# Altium PCB uTCA_MCH_PCB3.pcbdoc (part 23 of 25)
Units mil, origin at the board's own origin, x right, y up, seen from the top; angles counter-clockwise.
Board outline 7110.66 x 2894.12 mil, 12 copper layers (Top Layer, GND1, MidLayer1, PWR1, MidLayer2, GND2, PWR2, MidLayer3, GND3, MidLayer4, PWR3, Bottom Layer), stack 63.15 mil thick; 767 components, 905 nets, 4553 pads, 2832 vias.
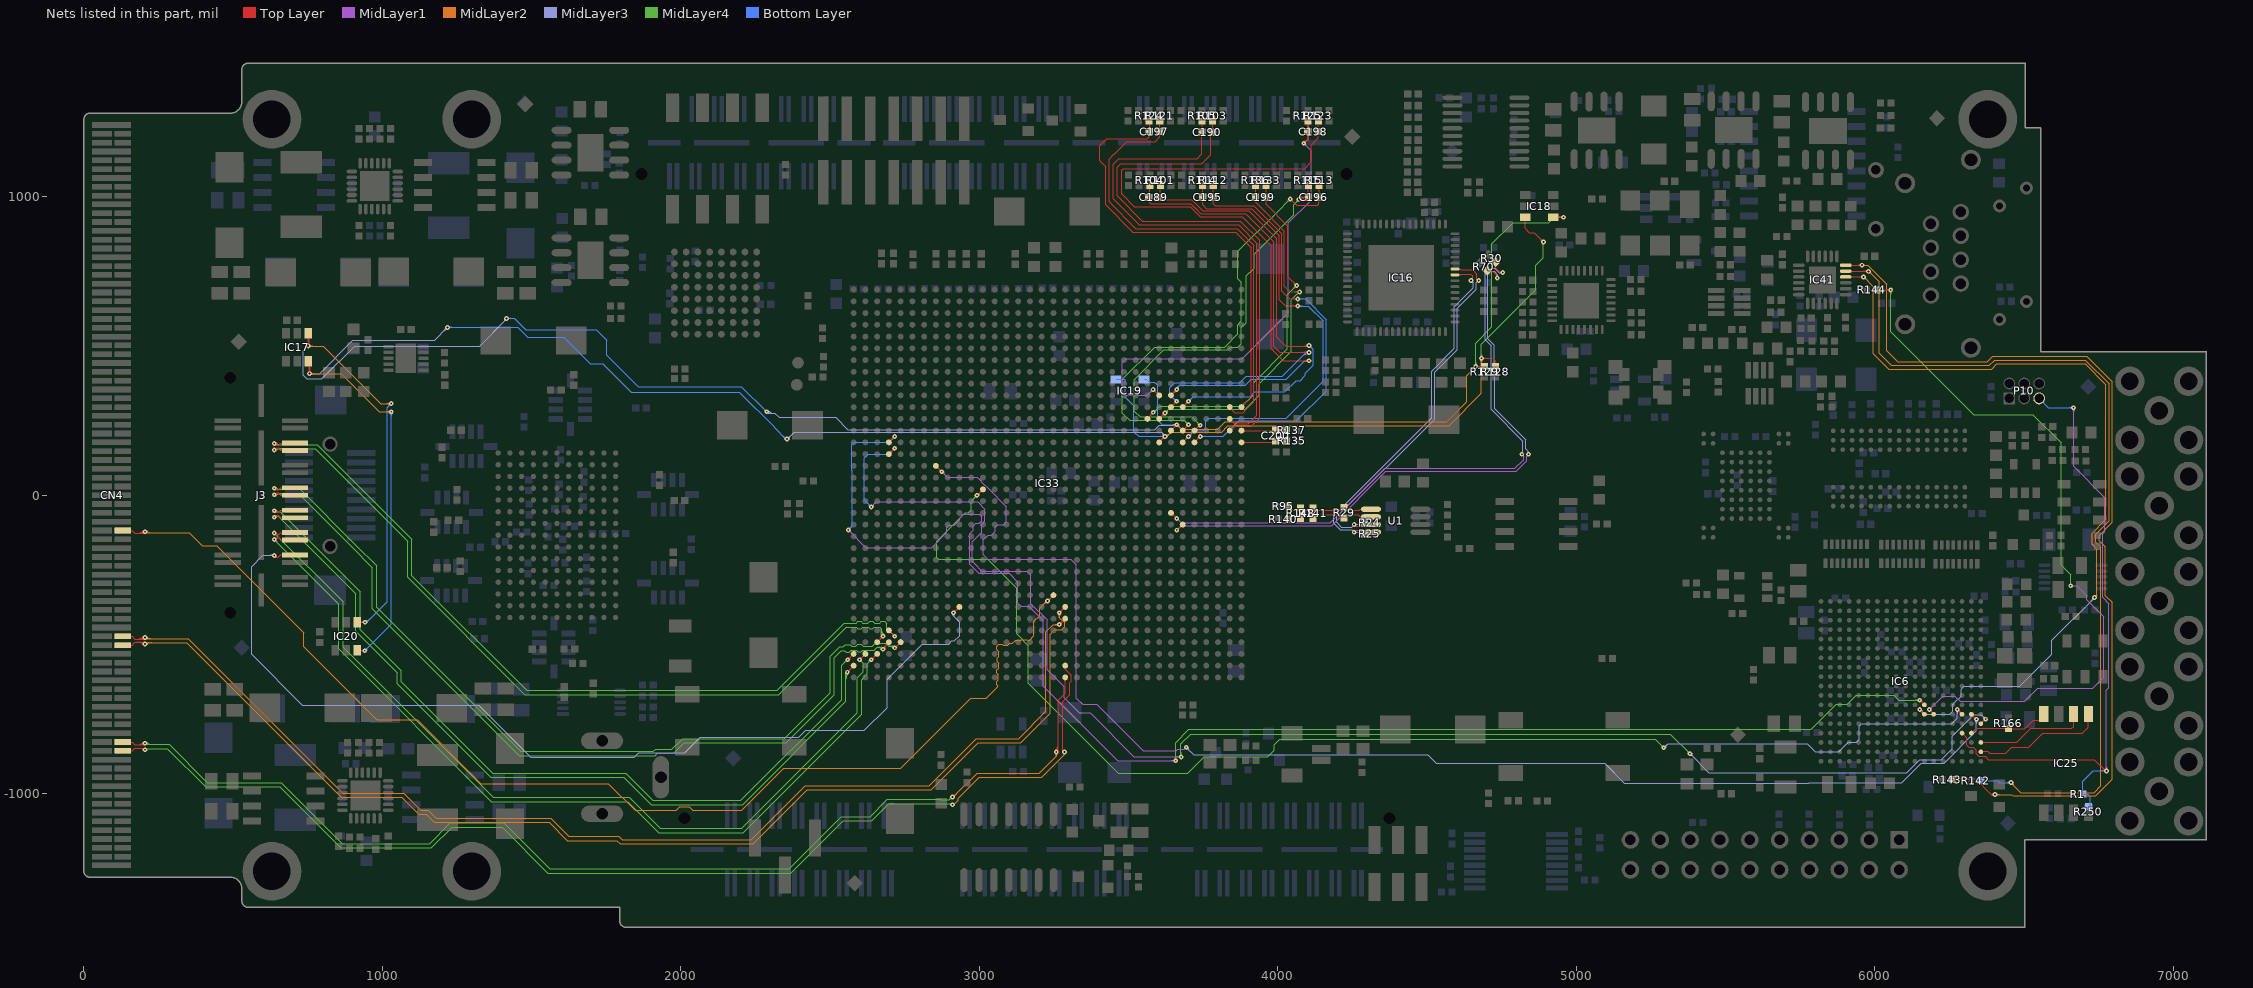
[diagram p33: the nets of this part, all layers, seen from the top]

## Via types
v1: diameter 15.75, hole 5.91, Top Layer to Bottom Layer, tented both sides, 2480 vias
v2: diameter 23.62, hole 11.81, Top Layer to Bottom Layer, tented both sides, 325 vias
v3: diameter 20, hole 10, Top Layer to Bottom Layer, tented both sides, 16 vias
v4: diameter 15.75, hole 7.87, Top Layer to Bottom Layer, tented both sides, 9 vias
v5: diameter 23.62, hole 11.81, Top Layer to Bottom Layer, 1 vias
v6: diameter 15.75, hole 5.91, Top Layer to Bottom Layer, 1 vias

## Nets (pads, with @x,y where several pads share a name; then routed paths per layer and width w, separated by ;. In a path a pad name is that pad's centre, name@x,y a point inside that pad or via, vN(x,y) a via of type N, cw(c..) or ccw(c..) an arc to the next point about the centre after c; other vN are vias at no path point) (continued)
RXFD8_P: IC33.AE28 J3.7 | length 3412
  Top Layer w3.94: v1@635.84,-201.84 ccw(c642.68,-201.07) 642.68,-207.95 ; v1(637.8,-201.62) 644.13,-207.95 ; v1@639.75,-201.4 ccw(c647.09,-200.57) 647.09,-207.95 ; v1@639.99,-207.1 cw(c641.41,-210.67) 644.13,-207.95 ; v1@643.28,-203.81 ccw(c646.85,-205.24) 644.13,-207.95 ; v1@643.66,-200.96 ccw(c651.49,-200.08) 651.49,-207.95 ; J3.7@707.29,-200 659.44,-200 651.49,-207.95 ; v1(2913.39,-393.7) IC33.AE28@2933.07,-374.02 ; v1@2913.39,-387.8 ccw(c2913.39,-373.54) 2923.47,-383.62 ccw(c2933.55,-393.7) v1@2919.29,-393.7 ; 644.13,-207.95 651.49,-207.95
  MidLayer3 w3.94: v1@633.62,-205.79 ccw(c623.54,-215.88) 623.54,-201.62 ccw(c623.54,-187.36) v1@633.62,-197.44 ; v1(637.8,-201.62) 599.15,-201.62 561.93,-238.84 561.93,-532.4 732.28,-702.76 1322.42,-702.76 1496.87,-877.2 1843.7,-877.2 1858.27,-862.64 2013.76,-862.64 2065.15,-811.25 2395.44,-811.25 2418.86,-787.83 2614.88,-787.83 2691.3,-711.42 2691.3,-616.18 2808.94,-498.54 2897.54,-498.54 2907.9,-488.19 2915.73,-488.19 2933.5,-470.42 2933.5,-424.74 2913.39,-404.62 ; v1@2910.15,-398.64 cw(c2906.25,-404.62) 2913.39,-404.62 ; v1(2913.39,-393.7) 2913.39,-404.62 ; v1@2916.62,-398.64 ccw(c2920.53,-404.62) 2913.39,-404.62
RXFD9_N: IC33.AM32 J3.9 | length 3014.7
  Top Layer w3.94: v1(637.8,-148.38) 643.21,-142.97 652.41,-142.97 ; v1@639.7,-148.87 cw(c647.33,-150.85) 647.33,-142.97 ; v1@643.51,-149.86 cw(c652.41,-152.16) 652.41,-142.97 ; J3.9@707.29,-150 659.44,-150 652.41,-142.97 ; v1(2637.8,-551.18) IC33.AM32@2657.48,-531.5 ; v1@2637.8,-545.28 ccw(c2637.8,-531.02) 2647.88,-541.1 ccw(c2657.96,-551.18) v1@2643.7,-551.18
  MidLayer4 w3.94: v1@637.8,-154.29 cw(c637.8,-168.54) 647.88,-158.46 cw(c657.96,-148.38) v1@643.7,-148.38 ; v1(637.8,-148.38) 854.33,-364.92 854.33,-514.94 1365.4,-1026.01 1821.28,-1026.01 1925.42,-1130.14 2209.39,-1130.14 2605.14,-734.4 2605.14,-617.32 2625,-597.46 2625,-563.98 v1(2637.8,-551.18) ; v1@2631.89,-551.18 cw(c2617.63,-551.18) 2627.71,-561.26 cw(c2637.8,-571.34) v1@2637.8,-557.09
RXFD9_P: IC33.AN32 J3.11 | length 2995.1
  Top Layer w3.94: v1(637.8,-126.62) 643.21,-132.03 652.41,-132.03 ; v1@639.7,-126.13 ccw(c647.33,-124.15) 647.33,-132.03 ; v1@643.51,-125.14 ccw(c652.41,-122.84) 652.41,-132.03 ; J3.11@707.29,-125 659.44,-125 652.41,-132.03 ; v1(2598.43,-551.18) IC33.AN32@2618.11,-531.5 ; v1@2598.43,-545.28 ccw(c2598.43,-531.02) 2608.51,-541.1 ccw(c2618.59,-551.18) v1@2604.33,-551.18
  MidLayer4 w3.94: v1@637.8,-132.52 cw(c637.8,-146.78) 647.88,-136.7 cw(c657.96,-126.62) v1@643.7,-126.62 ; v1(637.8,-126.62) 868.54,-357.36 868.54,-509.05 1371.28,-1011.8 1827.16,-1011.8 1931.3,-1115.94 2203.51,-1115.94 2590.55,-728.9 2590.55,-611.82 2610.8,-591.58 2610.8,-563.55 v1(2598.43,-551.18) ; v1@2598.43,-557.09 cw(c2598.43,-571.34) 2608.51,-561.26 cw(c2618.59,-551.18) v1@2604.33,-551.18
RXFD10_N: IC33.AP33 J3.13 | length 2862
  Top Layer w3.94: v1(637.8,-73.38) 643.21,-67.97 652.41,-67.97 ; v1@639.7,-73.87 cw(c647.33,-75.85) 647.33,-67.97 ; v1@643.51,-74.86 cw(c652.41,-77.16) 652.41,-67.97 ; J3.13@707.29,-75 659.44,-75 652.41,-67.97 ; v1(2557.09,-592.52) IC33.AP33@2578.74,-570.87 ; v1@2557.09,-586.61 ccw(c2557.09,-572.36) 2567.17,-582.44 ccw(c2577.25,-592.52) v1@2562.99,-592.52
  MidLayer4 w3.94: v1(637.8,-73.38) 641.57,-69.6 651.57,-69.6 ; v1@639.65,-74.05 cw(c645.97,-76.32) 645.97,-69.6 ; v1@643.35,-75.38 cw(c651.57,-78.34) 651.57,-69.6 ; 2553.15,-616.28 cw(c2580.85,-616.28) v1@2561.26,-596.7 ; 2553.15,-606.78 cw(c2571.34,-606.78) v1@2558.48,-593.91 ; v1(2557.09,-592.52) 2553.15,-596.46 2553.15,-690.92 2207.23,-1036.84 1900.61,-1036.84 1808.65,-944.88 1363.01,-944.88 1049.21,-631.08 1049.21,-594.1 911.42,-456.31 911.42,-329.44 651.57,-69.6
RXFD10_P: IC33.AP32 J3.15 | length 2886.7
  Top Layer w3.94: v1(637.8,-51.62) 643.21,-57.03 652.41,-57.03 ; v1@639.7,-51.13 ccw(c647.33,-49.15) 647.33,-57.03 ; v1@643.51,-50.14 ccw(c652.41,-47.84) 652.41,-57.03 ; J3.15@707.29,-50 659.44,-50 652.41,-57.03 ; v1(2559.06,-551.18) IC33.AP32@2578.74,-531.5 ; v1@2559.06,-545.28 ccw(c2559.06,-531.02) 2569.14,-541.1 ccw(c2579.22,-551.18) v1@2564.96,-551.18
  MidLayer4 w3.94: v1(637.8,-51.62) 641.57,-55.4 657.46,-55.4 ; v1@639.36,-50.42 ccw(c649.46,-42.65) 649.46,-55.4 ; v1@642.48,-48.02 ccw(c657.46,-36.5) 657.46,-55.4 ; 2545.61,-562.65 cw(c2559.06,-576.1) v1@2559.06,-557.09 ; 2550.37,-557.9 ccw(c2543.64,-551.18) v1@2553.15,-551.18 ; 2552.33,-555.93 cw(c2559.06,-562.65) v1@2559.06,-553.15 ; v1@2557.09,-551.18 2538.94,-569.32 2538.94,-685.04 2201.35,-1022.64 1906.5,-1022.64 1814.54,-930.68 1368.9,-930.68 1063.42,-625.2 1063.42,-588.22 925.62,-450.43 925.62,-323.56 657.46,-55.4
RXFD11_N: IC33.AK31 J3.19 | length 2986.7
  Top Layer w3.94: v1@637.8,21.91 641.73,17.97 652.41,17.97 ; v1@639.7,23.87 ccw(c647.33,25.85) 647.33,17.97 ; v1@643.51,24.86 ccw(c652.41,27.16) 652.41,17.97 ; J3.19@707.29,25 659.44,25 652.41,17.97 ; v1@2716.54,-505.44 ccw(c2716.54,-490.07) 2727.41,-500.94 ; v1@2717,-511.35 IC33.AK31@2736.22,-492.13 ; v1@2722.44,-511.35 cw(c2735.58,-511.35) 2726.29,-502.06
  MidLayer4 w3.94: v1(637.8,23.38) 641.57,19.6 724.9,19.6 909.87,-165.38 ; v1@639.19,24.77 ccw(c651.67,37.26) 651.67,19.6 ; v1@641.97,27.56 ccw(c661.18,46.76) 661.18,19.6 ; 909.87,-165.78 980.74,-236.65 980.74,-374.76 1464.25,-858.27 1907.57,-858.27 1915.44,-850.39 1970.07,-850.39 2005.5,-814.96 2346.46,-814.96 2499.57,-661.84 2499.57,-538.89 2531.46,-507.01 2544.77,-507.01 2550.79,-500.98 2567.1,-500.98 2571.67,-505.56 2586.58,-505.56 2593.13,-499.02 2603.73,-499.02 2610.27,-505.56 2641.68,-505.56 2651.6,-495.64 2681.08,-495.64 2685.63,-495.66 2695.79,-505.83 ; 2702.94,-505.83 cw(c2702.94,-519.95) v1@2714.87,-512.4 ; 2710.09,-505.83 cw(c2710.09,-515.43) v1@2718.2,-510.3 ; v1@2711.54,-514.5 ccw(c2695.79,-524.47) 2695.79,-505.83 ; v1@2717.06,-510.36 2712.52,-505.83 2695.79,-505.83
  other v1: 2716.54,-511.35
RXFD11_P: IC33.AL31 J3.17 | length 2953
  Top Layer w3.94: v1@637.8,3.09 641.73,7.03 652.41,7.03 ; v1@639.7,1.13 cw(c647.33,-0.85) 647.33,7.03 ; v1@643.51,0.14 cw(c652.41,-2.16) 652.41,7.03 ; J3.17@707.29,0 659.44,0 652.41,7.03 ; v1@2677.17,-511.81 IC33.AL31@2696.85,-492.13 ; v1@2679.26,-515.77 cw(c2693.9,-515.77) 2683.55,-505.43 ; v1@2683.2,-515.77 cw(c2707.34,-515.77) IC33.AL31@2690.27,-498.7
  MidLayer4 w3.94: v1(637.8,1.62) 641.57,5.4 719.01,5.4 895.67,-171.26 ; v1@639.19,0.23 cw(c651.67,-12.26) 651.67,5.4 ; v1@641.97,-2.56 cw(c661.18,-21.76) 661.18,5.4 ; 895.67,-171.66 966.54,-242.53 966.54,-380.64 1458.37,-872.47 1913.45,-872.47 1921.33,-864.6 1975.95,-864.6 2011.39,-829.17 2352.34,-829.17 2513.78,-667.73 2513.78,-544.77 2537.34,-521.21 2548.49,-521.21 2553.88,-526.6 2564.48,-526.6 2571.32,-519.76 2588.28,-519.76 2593.13,-524.61 2603.73,-524.61 2608.57,-519.76 2647.56,-519.76 2657.48,-509.84 ; 2664.07,-509.84 cw(c2664.07,-522.89) v1@2675.56,-516.71 ; 2670.66,-509.84 cw(c2670.66,-519.34) v1@2679.03,-514.84 ; v1@2672.1,-518.57 ccw(c2657.48,-526.44) 2657.48,-509.84 ; v1(2677.3,-515.77) 2677.3,-511.95 2675.19,-509.84 2657.48,-509.84
RXFD12_N: IC33.AM31 J3.25 | length 2812.6
  Top Layer w3.94: v1(637.8,151.62) 643.21,157.03 652.41,157.03 ; v1@639.7,151.13 cw(c647.33,149.15) 647.33,157.03 ; v1@643.51,150.14 cw(c652.41,147.84) 652.41,157.03 ; J3.25@707.29,150 659.44,150 652.41,157.03 ; IC33.AM31@2657.48,-492.13 v1(2677.17,-472.44) ; v1@2671.26,-472.44 cw(c2657,-472.44) 2667.08,-482.52 cw(c2677.17,-492.6) v1@2677.17,-478.35
  MidLayer4 w3.94: v1(637.8,151.62) 641.57,155.4 775.7,155.4 778.12,152.99 ; v1@639.19,150.23 cw(c651.67,137.74) 651.67,155.4 ; v1@641.97,147.44 cw(c661.18,128.24) 661.18,155.4 ; 778.16,152.99 806.53,124.61 ; 806.53,124.57 1084.65,-153.54 1084.65,-275.04 1477.17,-667.56 2328.5,-667.56 2553.58,-442.48 2587.88,-442.48 2593.25,-447.86 2603.85,-447.86 2609.31,-442.4 2627.17,-442.4 2632.62,-447.86 2643.22,-447.86 2648.44,-442.64 2666.78,-442.64 2671.5,-447.36 ; 2671.5,-464.44 ccw(c2684,-464.44) v1@2675.89,-473.94 ; 2671.5,-455.9 ccw(c2691.28,-455.9) v1@2678.44,-470.94 ; v1(2677.17,-472.44) 2671.5,-466.78 2671.5,-447.36 ; v1@2681,-467.95 cw(c2698.56,-447.36) 2671.5,-447.36
RXFD12_P: IC33.AL30 J3.27 | length 2833.2
  Top Layer w3.94: v1(637.8,173.38) 643.21,167.97 652.41,167.97 ; v1@639.7,173.87 ccw(c647.33,175.85) 647.33,167.97 ; v1@643.51,174.86 ccw(c652.41,177.16) 652.41,167.97 ; J3.27@707.29,175 659.44,175 652.41,167.97 ; IC33.AL30@2696.85,-452.76 v1(2716.53,-472.44) ; v1@2710.62,-472.44 ccw(c2696.36,-472.44) 2706.45,-462.35 ccw(c2716.53,-452.29) v1@2716.53,-466.53
  MidLayer4 w3.94: v1(637.8,173.38) 641.57,169.6 781.59,169.6 784,167.19 ; v1@639.19,174.77 ccw(c651.67,187.26) 651.67,169.6 ; v1@641.97,177.56 ccw(c661.18,196.76) 661.18,169.6 ; 784.04,167.19 820.73,130.5 ; 820.73,130.46 1098.85,-147.66 1098.85,-269.16 1483.05,-653.35 2322.62,-653.35 2547.7,-428.27 2587.24,-428.27 2593.25,-422.27 2603.85,-422.27 2609.78,-428.2 2626.69,-428.2 2632.62,-422.27 2643.22,-422.27 2649.39,-428.43 2665.83,-428.43 2672,-422.27 2682.6,-422.27 2690.09,-429.76 2690.09,-440.36 ; 2690.16,-440.43 2690.16,-446.07 v1(2716.53,-472.44) ; v1@2710.62,-472.44 ccw(c2696.37,-472.44) 2706.45,-462.36 ccw(c2716.53,-452.28) v1@2716.53,-466.53
SCL_TMP: IC17.1 IC18.1 IC19.1 IC20.1 IC33.G13 R129.1 | length 7166.6
  Top Layer w3.94: IC20.1@916.34,-425.2 v1(941.93,-425.2) ; v1@937.75,-429.37 ccw(c927.67,-439.45) 927.67,-425.2 ccw(c927.67,-410.94) v1@937.75,-421.02 ; IC33.G13@3641.73,216.54 v1(3661.42,236.22) ; v1@3655.51,236.22 cw(c3641.25,236.22) 3651.34,226.14 cw(c3661.42,216.06) v1@3661.42,230.31 ; v1@4664.33,431.1 R129.1@4692.91,431.1 ; v1@4666.97,427.01 cw(c4676.86,417.11) 4676.86,431.1 ; v1@4666.97,435.36 ccw(c4677.24,445.63) 4677.24,431.1 ; IC18.1@4923.23,931.1 v1(4956.69,931.1) ; v1@4952.52,926.93 ccw(c4942.44,916.85) 4942.44,931.1 ccw(c4942.43,945.36) v1@4952.52,935.28
  Top Layer w6.89: v1@748.84,503.13 ccw(c741.28,510.69) 751.97,510.69 ccw(c762.66,510.69) v1@755.1,503.13 ; v1(751.97,500) IC17.1@751.97,535.43
  MidLayer4 w3.94: v1@4658.62,435.36 ccw(c4648.54,445.44) 4662.8,445.44 ccw(c4677.05,445.44) v1@4666.97,435.36 ; v1(4662.8,431.18) 4662.8,509.92 4716.91,564.04 4716.91,841.92 4788.38,913.39 4908.28,913.39 4925.99,931.1 v1(4956.69,931.1) ; v1@4952.52,926.93 ccw(c4942.44,916.85) 4942.44,931.1 ccw(c4942.44,945.36) v1@4952.52,935.28
  MidLayer2 w3.94: v1(751.97,500) 801.18,500 994.09,307.09 v1(1029.53,307.09) ; v1@756.14,495.82 cw(c766.23,485.74) 766.23,500 cw(c766.23,514.26) v1@756.14,504.18 ; v1@1025.35,302.91 ccw(c1015.27,292.83) 1015.27,307.09 ccw(c1015.27,321.34) v1@1025.35,311.26 ; v1@3661.42,230.31 cw(c3661.42,216.06) 3671.5,226.14 cw(c3681.58,236.22) v1@3667.32,236.22 ; v1(3661.42,236.22) 3677.17,220.47 3799.27,220.47 3824.2,245.4 3901.87,245.4 ; 3901.99,245.4 4046.33,245.4 4046.58,245.65 4566.04,245.65 4632.87,312.48 4632.87,400.59 v1@4663.17,430.89 ; 4652.24,419.96 ccw(c4641.02,431.18) v1@4656.89,431.18 ; 4653.86,421.57 cw(c4662.8,412.63) v1@4662.8,425.28
  MidLayer3 w3.94: v1@746.06,500 cw(c731.81,500) 741.89,489.92 cw(c751.97,479.84) v1@751.97,494.09 ; v1(751.97,500) 734.25,482.28 734.25,401.57 746.06,389.76 797.24,389.76 907.2,499.72 1325.66,499.72 v1@1417.4,591.46 ; 1404.3,578.35 ccw(c1390.25,592.4) v1@1410.12,592.4 ; 1409.91,583.96 cw(c1416.02,577.85) v1@1416.02,586.5 ; 1411.02,585.08 ccw(c1403.69,592.4) v1@1414.06,592.4 ; v1@2288.23,279.17 2292.36,275.04 2314.8,275.04 2329.37,260.47 2518.1,260.47 2559.24,219.33 3587.05,219.33 3602.8,235.08 v1@3662.71,235.08 ; v1@2289.15,280.9 ccw(c2303.29,295.03) 2303.29,275.04 ; v1@2291.94,283.68 ccw(c2312.8,304.54) 2312.8,275.04 ; 3644.41,235.08 ccw(c3644.41,253.23) v1@3657.24,240.4 ; 3649.91,235.08 cw(c3649.91,224.72) v1@3657.24,232.04
  Bottom Layer w3.94: v1@941.93,-423.23 ccw(c941.93,-406.6) 953.69,-418.36 ; v1@941.93,-419.29 ccw(c941.93,-393.15) 960.41,-411.64 ; v1@943.9,-428.15 1015.75,-356.3 1015.75,293.31 v1(1029.53,307.09) ; v1@1023.62,307.09 cw(c1009.36,307.09) 1019.45,297.01 cw(c1029.53,286.92) v1@1029.53,301.18 ; v1(1416.02,592.4) 1442.56,592.4 1481.02,553.94 1716.73,553.94 1752.09,518.58 1752.09,468.7 1856.57,364.21 2203.05,364.21 v1(2287.76,279.5) ; v1@1420.2,588.23 cw(c1430.28,578.14) 1430.28,592.4 cw(c1430.28,606.66) v1@1420.2,596.58 ; v1@2281.86,279.5 ccw(c2267.6,279.5) 2277.68,289.58 ccw(c2287.76,299.67) v1@2287.76,285.41 ; IC19.1@3553.62,388.7 3559.3,388.7 3569,379 3586,379 3597,368 3597,321.49 3597.78,320.71 3597.78,251.22 3612.78,236.22 v1(3661.42,236.22) ; v1@3657.24,232.04 ccw(c3647.16,221.96) 3647.16,236.22 ccw(c3647.16,250.48) v1@3657.24,240.4
SDA_TMP: IC17.6 IC18.6 IC19.6 IC20.6 IC33.H14 R128.1 | length 7029.9
  Top Layer w3.94: IC20.6@916.34,-519.69 v1@939.96,-519.69 ; IC20.6@924.31,-519.69 cw(c924.31,-537.3) v1@936.77,-524.85 ; IC20.6@929.06,-519.69 ccw(c929.06,-508.79) v1@936.77,-516.49 ; IC33.H14@3602.36,177.17 v1(3622.05,196.85) ; v1@3616.14,196.85 cw(c3601.88,196.85) 3611.97,186.77 cw(c3622.05,176.69) v1@3622.05,190.94 ; v1@4682.32,458.19 4703.35,458.19 ; v1@4686.07,454.45 cw(c4695.1,445.41) 4695.1,458.19 ; v1@4686.07,462.8 ccw(c4697.19,473.92) 4697.19,458.19 ; 4703.78,458.62 4717.68,458.62 ; 4720,458.19 4728.35,449.84 R128.1@4728.35,431.1 ; IC18.6@4828.74,931.1 4828.74,893.7 4842.52,879.92 4858.26,879.92 v1(4889.75,848.42) ; v1@4883.85,848.42 ccw(c4869.59,848.42) 4879.67,858.5 ccw(c4889.75,868.59) v1@4889.75,854.33
  Top Layer w6.89: v1@752.77,410.61 ccw(c745.21,418.17) 755.91,418.17 ccw(c766.6,418.17) v1@759.04,410.61 ; v1(755.91,407.48) IC17.6@755.91,437.01
  MidLayer4 w3.94: v1@4677.71,462.8 ccw(c4667.63,472.88) 4681.89,472.88 ccw(c4696.15,472.88) v1@4686.07,462.8 ; v1(4681.89,458.62) 4681.89,505.89 4864.31,688.31 4864.31,770.78 4889.85,796.32 v1@4889.85,848.69
  MidLayer2 w3.94: v1(755.91,407.48) 862.2,407.48 990.16,279.53 v1(1029.53,279.53) ; v1@760.08,403.3 cw(c770.16,393.22) 770.16,407.48 cw(c770.16,421.74) v1@760.08,411.66 ; v1@1025.35,275.35 ccw(c1015.27,265.27) 1015.27,279.53 ccw(c1015.27,293.78) v1@1025.35,283.7 ; v1@3622.05,194.88 3625.98,194.88 3642.89,211.79 3811.2,211.79 3832.76,233.35 3905.48,233.35 ; v1@3622.05,198.82 ccw(c3622.05,217.83) 3635.49,204.39 ; v1@3622.05,202.76 ccw(c3622.05,231.27) 3642.21,211.11 ; 3905.67,233.32 4573.37,233.32 4682.13,342.08 4682.13,456.77 v1@4683.98,458.62 ; v1@4677.71,454.45 cw(c4667.06,443.79) 4682.13,443.79 ; 4682.13,444.94 cw(c4695.58,444.94) v1@4686.07,454.45
  MidLayer3 w3.94: v1(755.91,407.48) 789.37,407.48 901.21,519.32 1175.34,519.32 v1@1219.68,563.66 ; v1@760.08,403.3 cw(c770.16,393.22) 770.16,407.48 cw(c770.16,421.74) v1@760.08,411.66 ; 1207.63,551.6 ccw(c1197.14,562.09) v1@1211.97,562.09 ; 1208.2,552.17 cw(c1217.87,542.49) v1@1217.87,556.18 ; v1@2355.47,186.89 2379.24,210.66 2518.93,210.66 2519.06,210.79 3610.76,210.79 ; v1@2355.47,194.09 ccw(c2355.47,211.49) 2367.77,199.19 ; v1@2361.38,188.19 cw(c2372.5,188.19) 2364.64,196.05 ; v1@3616.15,197.07 ccw(c3597.74,197.76) 3610.76,210.79 ; 3616.49,205.06 ccw(c3622.05,210.61) v1@3622.05,202.76 ; 3617.14,204.41 cw(c3610.04,197.3) v1@3620.08,196.92 ; v1(3622.05,196.85) 3624.7,196.85 3610.76,210.79
  Bottom Layer w3.94: v1(940.94,-520.67) 1029.53,-432.09 v1(1029.53,279.53) ; v1@940.94,-514.76 ccw(c940.94,-500.51) 951.03,-510.59 ccw(c961.11,-520.67) v1@946.85,-520.67 ; v1@1025.35,275.35 cw(c1015.27,265.27) 1029.53,265.27 cw(c1043.78,265.27) v1@1033.7,275.35 ; v1@1218.07,562.28 1453.5,562.28 1486.85,528.94 1607.72,528.94 1696.61,440.04 1738.74,440.04 1833.07,345.71 2195.47,345.71 2312.24,228.94 ; v1@1222.05,557.91 cw(c1232.61,547.35) 1232.61,562.28 ; v1@1222.05,566.26 ccw(c1231.66,575.87) 1231.66,562.28 ; 2312.24,227.44 2351.5,188.19 v1(2355.47,188.19) ; 2338.6,201.08 ccw(c2355.47,217.95) v1@2355.47,194.09 ; 2345.33,194.36 ccw(c2355.47,204.51) v1@2355.47,190.16 ; 2348.2,191.48 cw(c2344.91,188.19) v1@2349.57,188.19 ; IC19.6@3459.13,388.7 3486.3,388.7 3489,386 3489,328 3517.72,299.28 3517.72,212.28 3533.15,196.85 v1(3622.05,196.85) ; v1@3617.87,192.67 ccw(c3607.79,182.59) 3607.79,196.85 ccw(c3607.79,211.11) v1@3617.87,201.03
  other v1: 1217.87,562.09
SERDES_CLK_N: IC33.G20 R30.2 | length 2088.4
  Top Layer w3.94: IC33.G20@3641.73,-59.06 3660.42,-77.74 v1(3661.03,-77.74) ; R30.2@4728.83,779.46 4728.83,762.56 4745.31,746.07 v1(4753.66,746.07)
  MidLayer1 w3.54: v1(3661.03,-77.74) 3675.63,-92.34 4176.15,-92.34 4358.13,89.64 4794.07,89.64 4823.59,119.16 4823.59,131.48 v1(4817.49,137.58)
  MidLayer3 w3.54: 4714.18,287.7 4820.39,181.48 4820.39,140.48 v1(4817.49,137.58) ; 4714.31,287.56 4714.31,500.03 4694.1,520.24 4694.1,750.14 4703.55,759.59 4703.95,759.99 4728.19,759.99 4728.6,759.59 4742.11,746.07 v1(4753.66,746.07)
SERDES_CLK_P: IC33.F21 R70.2 | length 2082.9
  Top Layer w3.94: v1@3661.39,-116.73 v1(3661.39,-116.78) 3662.75,-116.78 IC33.F21@3681.1,-98.43 ; R70.2@4701.55,752.61 4718.45,752.61 4735.15,735.91 v1(4735.15,727.56)
  MidLayer1 w3.54: v1(3661.39,-116.78) 3675.99,-102.18 4180.23,-102.18 4362.21,79.8 4798.15,79.8 4833.43,115.09 4833.43,131.48 v1(4839.53,137.58)
  MidLayer3 w3.54: v1(4735.15,727.56) 4735.15,739.11 4724.12,750.15 4708.03,750.15 4703.94,746.06 4703.94,524.32 4723.99,504.27 4724.15,291.64 4830.23,185.56 4830.23,155.04 4839.53,145.74 v1(4839.53,137.58)
SPI1.SPI1_MISO: IC6.M7 IC33.AL14 | length 5148.2
  Top Layer w3.94: IC33.AL14@2696.85,177.17 v1(2716.54,196.85) ; v1@2710.63,196.85 cw(c2696.37,196.85) 2706.45,186.77 cw(c2716.54,176.69) v1@2716.54,190.94 ; v1@6150.31,-692.38 cw(c6150.31,-706.64) 6160.4,-696.55 cw(c6170.48,-686.47) v1@6156.22,-686.47 ; v1(6150.31,-686.47) IC6.M7@6166.06,-702.22
  MidLayer1 w3.94: v1@2561.02,-122.05 cw(c2561.02,-136.3) 2571.1,-126.22 cw(c2581.19,-116.14) v1@2566.93,-116.14 ; v1(2561.02,-116.14) 2620.08,-175.2 2839.8,-175.2 2891.11,-123.89 2891.11,-106.89 2898,-100 2915,-100 2933.61,-81.39 2933.61,-76.61 2946.44,-63.78 3000.39,-63.78 3007.87,-71.26 3007.87,-86.13 2999.51,-94.49 2988.19,-94.49 2979.33,-103.35 2979.33,-117.52 2968,-128.85 2968,-231.78 2998.03,-261.81 3100,-261.81 3129,-290.81 3129,-361 3140,-372 3165.31,-372 3213.46,-420.16 3213.46,-640.43 3462.8,-889.76 3544.09,-889.76 v1(3657.47,-889.76) ; v1@3653.3,-893.94 ccw(c3643.22,-904.02) 3643.22,-889.76 ccw(c3643.22,-875.5) v1@3653.3,-885.59
  MidLayer4 w3.94: v1@3653.3,-885.59 ccw(c3643.22,-875.5) 3657.47,-875.5 ccw(c3671.73,-875.5) v1@3661.65,-885.59 ; v1(3657.47,-889.76) 3657.47,-844.5 ; 3657.48,-844.49 3657.48,-829 3702.23,-784.25 5787.17,-784.25 5870.42,-701 5907,-701 5938.11,-669.89 6063.89,-669.89 6080.47,-686.47 v1(6150.31,-686.47) ; v1@6146.14,-690.65 ccw(c6136.06,-700.73) 6136.06,-686.47 ccw(c6136.06,-672.22) v1@6146.14,-682.3
  Bottom Layer w3.94: v1@2561.02,-110.24 ccw(c2561.02,-95.98) 2571.1,-106.06 ccw(c2581.19,-116.14) v1@2566.93,-116.14 ; v1@2562.99,-114.17 2573.78,-103.39 2573.78,82.71 2572.83,83.65 2572.83,169.29 2580.71,177.17 2696.85,177.17 v1@2716.53,196.85 ; 2706.45,186.77 cw(c2716.54,176.68) v1@2716.54,190.94 ; 2706.46,186.78 ccw(c2696.38,196.85) v1@2710.63,196.85
SPI1.SPI1_MOSI: IC6.V5 IC33.AL15 | length 5229.6
  Top Layer w3.94: IC33.AL15@2696.85,137.8 v1(2716.54,157.48) ; v1@2710.63,157.48 cw(c2696.38,157.48) 2706.45,147.4 cw(c2716.54,137.32) v1@2716.54,151.57 ; IC6.V5@6355.04,-765.21 v1@6370.3,-749.96 ; IC6.V5@6359.63,-760.63 cw(c6371.13,-772.13) v1@6371.13,-755.86 ; 6361.64,-758.62 ccw(c6352.98,-749.96) v1@6365.22,-749.96
  MidLayer1 w3.94: v1(2637.8,-39.37) 2654.7,-22.46 2994.7,-22.46 3018.7,-46.46 3018.7,-87.7 3008,-98.4 3008,-123.89 2976,-155.89 2976,-221.67 2982.68,-228.35 ; v1@2637.8,-33.46 ccw(c2637.8,-19.21) 2647.88,-29.29 ccw(c2657.96,-39.37) v1@2643.7,-39.37 ; 2982.48,-228.54 3007.87,-253.94 3157.88,-253.94 3172.24,-268.3 3172.24,-363.24 3226.77,-417.77 3226.77,-585.16 3283.81,-642.19 3283.81,-678.81 3334.19,-729.19 3370.81,-729.19 3517.6,-875.98 3651.76,-875.98 3675.2,-875.98 3676,-876.79 v1(3676,-877) ; 3659.29,-875.98 cw(c3659.29,-893.71) v1@3671.82,-881.18 ; 3664.2,-875.98 ccw(c3664.2,-865.2) v1@3671.82,-872.82
  MidLayer4 w3.94: v1@3671.82,-872.82 ccw(c3663.68,-864.68) 3675.2,-864.68 ; 3675.2,-860.8 ccw(c3692.2,-860.8) v1@3680.18,-872.82 ; v1(3676,-877) 3675.2,-876.2 3675.2,-832.68 ; 3679.13,-828.74 3675.2,-832.68 ; v1@5375.09,-866 ccw(c5360.84,-866) 5370.92,-855.92 ccw(c5381,-845.84) v1@5381,-860.1 ; v1@5383.48,-868.49 v1(5381,-866) 5314.92,-799.92 3707.95,-799.92 3675.19,-832.68
  MidLayer3 w3.94: v1@5381,-871.91 cw(c5381,-886.16) 5391.08,-876.08 cw(c5401.16,-866) v1@5386.9,-866 ; v1@5381.8,-865.2 v1(5381,-866) 5444,-929 6107,-929 6150.63,-885.37 6221.63,-885.37 6258.57,-848.43 6258.57,-806.57 6330.57,-734.57 6355.74,-734.57 v1(6371.13,-749.96) ; v1@6365.22,-749.96 ccw(c6350.97,-749.96) 6361.05,-739.88 ccw(c6371.13,-729.79) v1@6371.13,-744.05
  Bottom Layer w3.94: v1@2631.89,-39.37 ccw(c2617.63,-39.37) 2627.71,-29.29 ccw(c2637.8,-19.21) v1@2637.8,-33.46 ; v1(2637.8,-39.37) 2614.17,-15.75 2614.17,124.02 2627.95,137.8 2696.85,137.8 v1(2716.54,157.48) ; v1@2710.63,157.48 cw(c2696.37,157.48) 2706.45,147.4 cw(c2716.54,137.32) v1@2716.54,151.57
SPI1.SPI1_NPCS0: IC6.U6 IC33.AG16 | length 4666.9
  Top Layer w3.94: IC33.AG16@2854.33,98.43 v1(2874.02,78.74) ; v1@2868.11,78.74 ccw(c2853.85,78.74) 2863.93,88.82 ccw(c2874.02,98.9) v1@2874.02,84.65 ; IC6.U6@6323.54,-733.72 v1(6340.27,-750.44) ; v1@6334.36,-750.44 ccw(c6320.1,-750.44) 6330.19,-740.36 ccw(c6340.27,-730.28) v1@6340.27,-744.54
  MidLayer1 w3.94: v1@2874.02,72.83 cw(c2874.02,58.58) 2884.1,68.66 cw(c2894.18,78.74) v1@2879.92,78.74 ; v1(2874.02,78.74) 2892.72,60.04 2992.78,60.04 3018.7,34.12 ; 3018.7,34.07 3026.2,26.57 ; 3026.25,26.57 3090.55,-37.73 3090.55,-88.45 3081,-98 3062,-98 3053,-107 3053,-121 3040,-134 3029,-134 3013.78,-149.22 3013.78,-199.8 3028.54,-214.57 3306.56,-214.57 3324.8,-232.81 3324.8,-679.8 3345.68,-700.68 3393.32,-700.68 3549.13,-856.5 3658.86,-856.5 3663.86,-851.5 3685.91,-851.5 v1(3692.91,-844.49)